# Altium PCB V4.0.PcbDoc
Units mil, origin at the board's own origin, x right, y up, seen from the top; angles counter-clockwise.
Board outline 3146.17 x 2127.7 mil, 2 copper layers (Top Layer, Bottom Layer); 54 components, 51 nets, 242 pads, 96 vias.
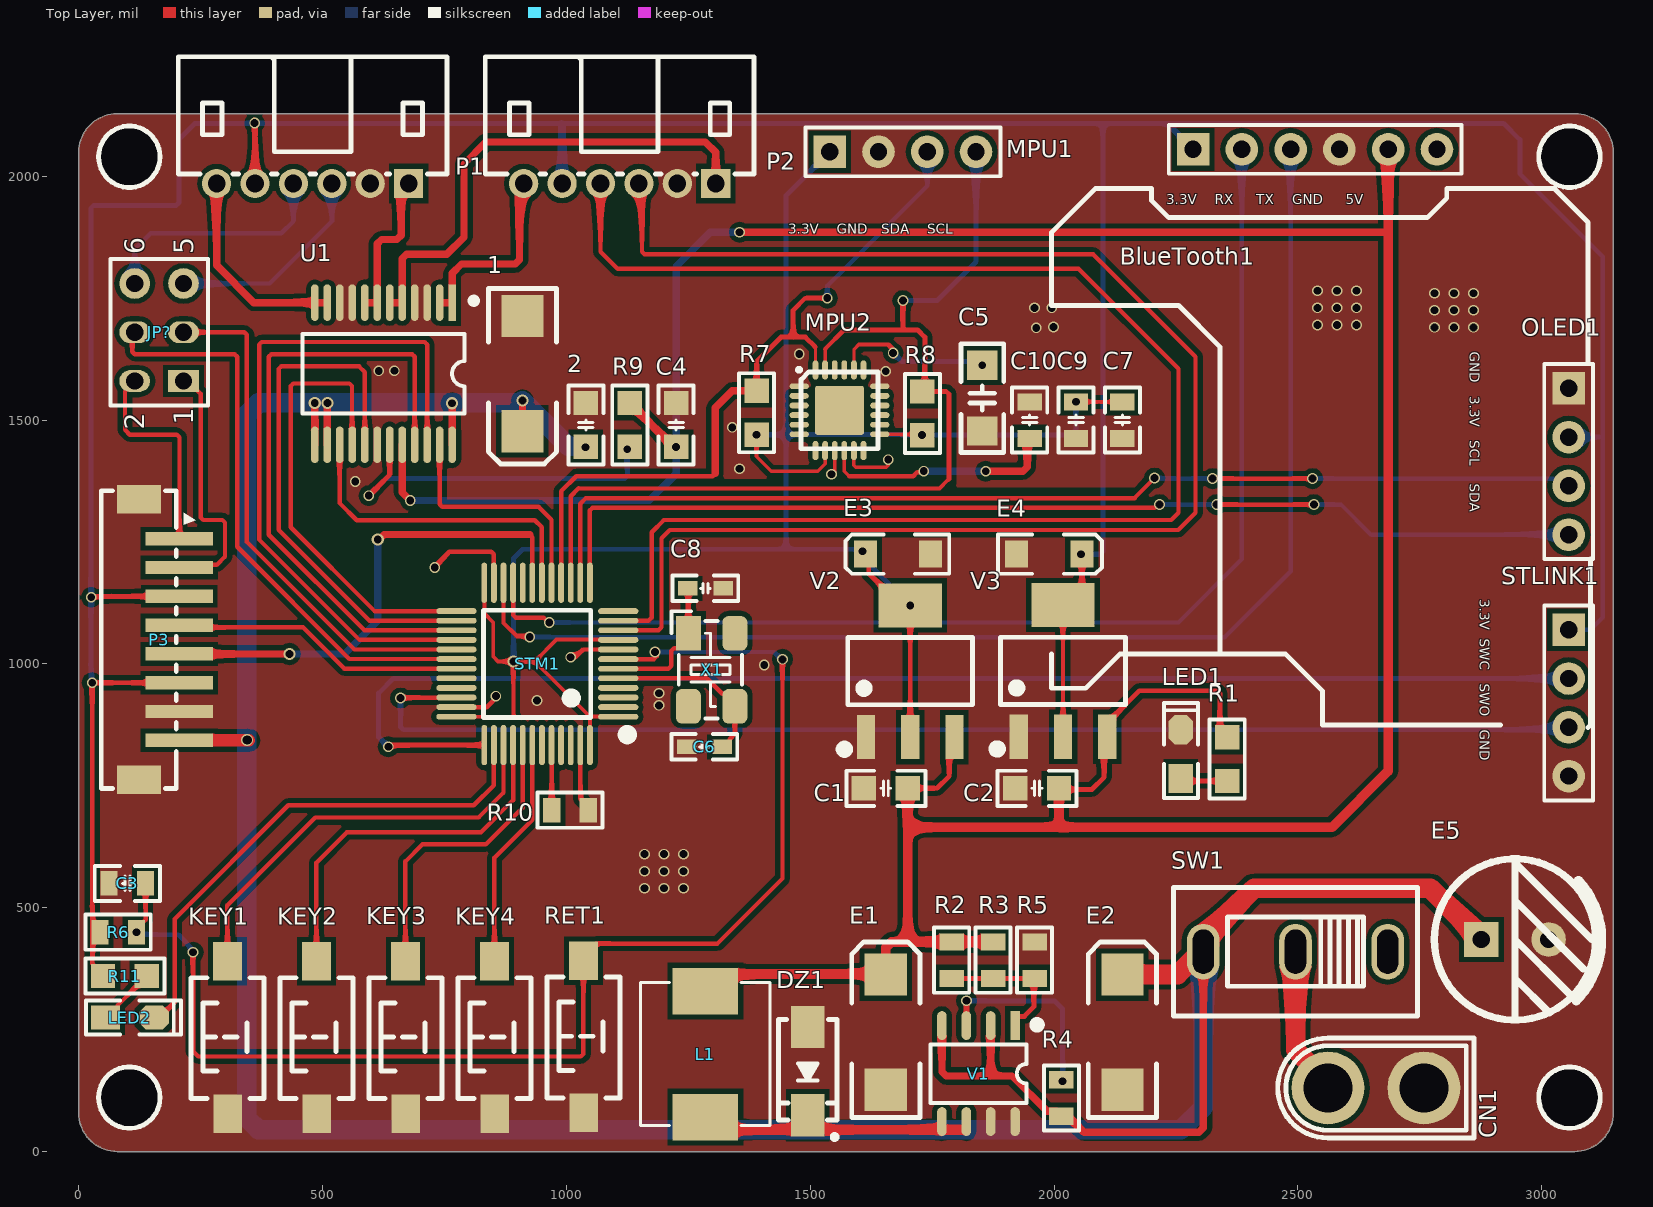
[diagram p0: Top Layer view]
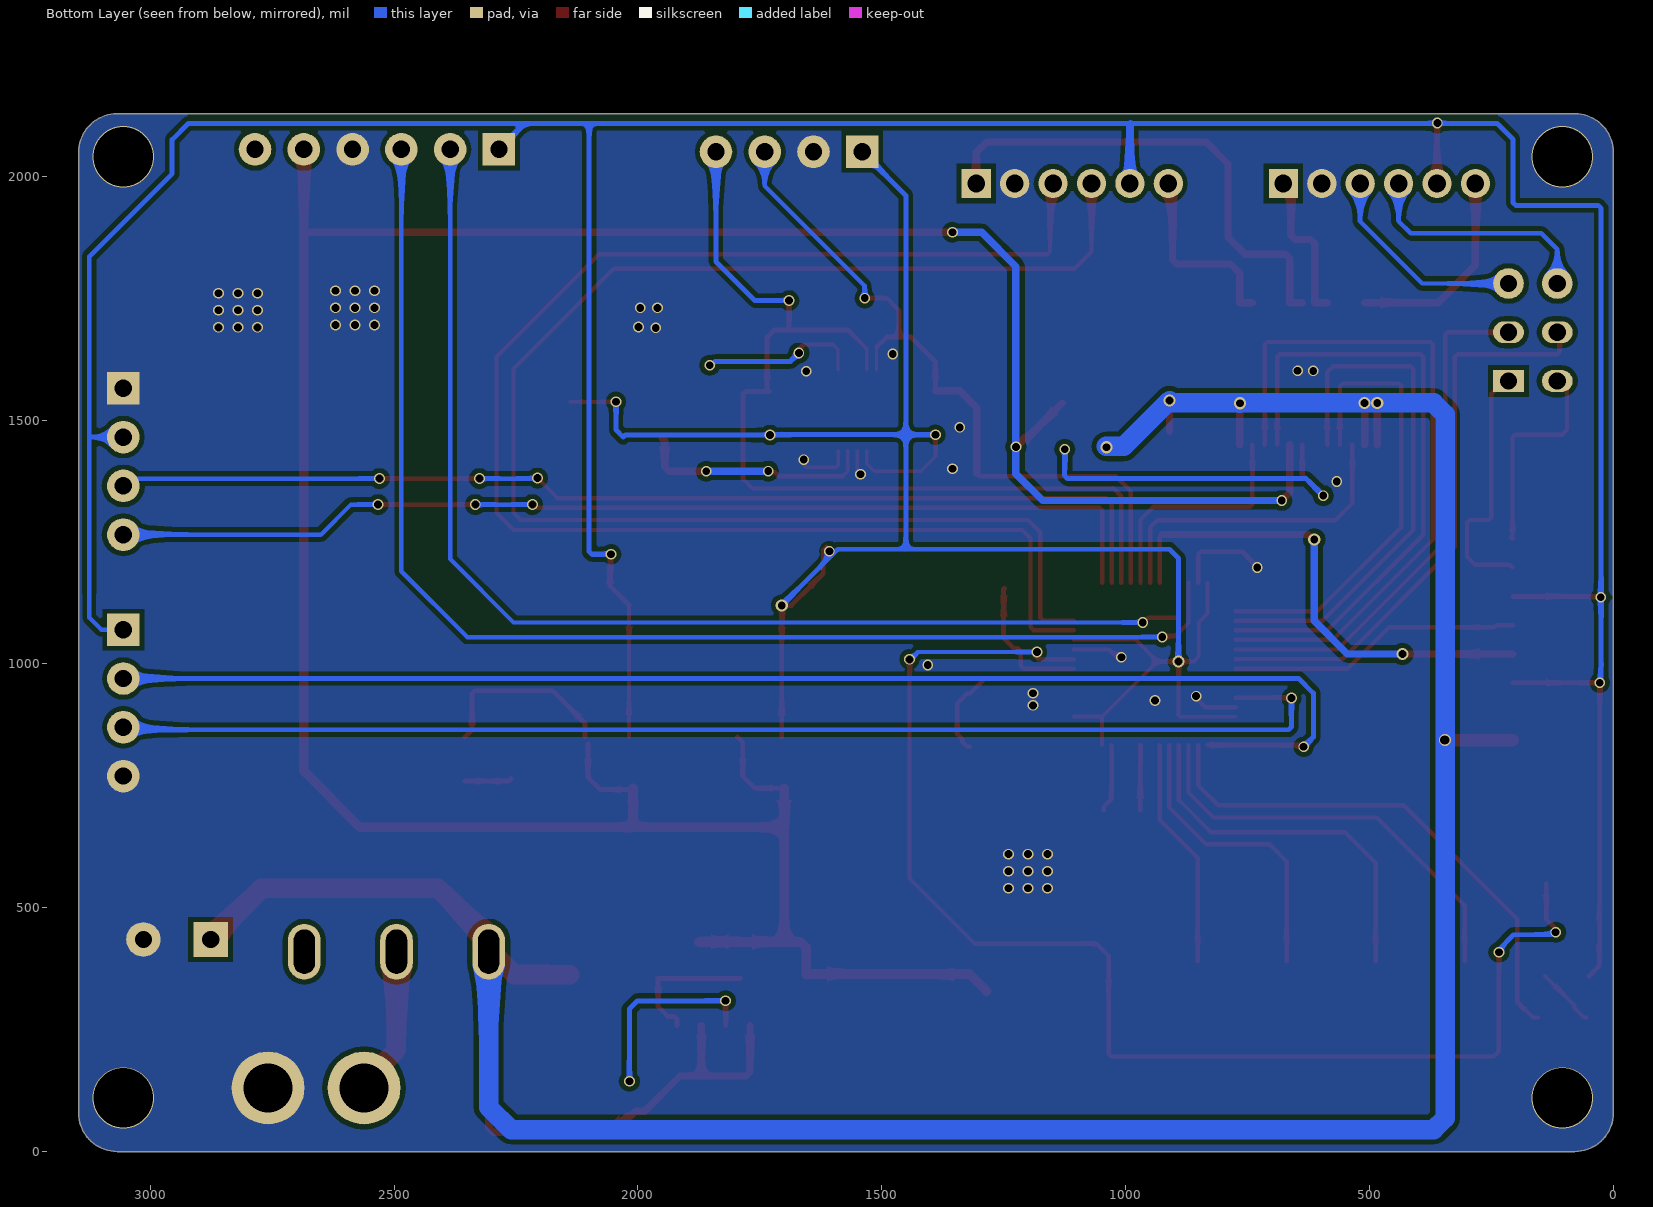
[diagram p1: Bottom Layer view, seen from below]

## Layer stack, top to bottom
Top Solder: solder mask 0.4, Solder Resist, Dk 3.5
Top Layer: signal copper 1.4
Dielectric 1: dielectric 12.6, FR-4, Dk 4.8
Bottom Layer: signal copper 1.4
Bottom Solder: solder mask 0.4, Solder Resist, Dk 3.5

## Board outline
78.99,0.25 cw(c78.99,78.99) 0.25,78.99 0.25,2049.21 cw(c78.99,2049.21) 78.99,2127.95 3067.68,2127.95 cw(c3067.68,2049.21) 3146.42,2049.21 3146.42,78.99 cw(c3067.68,78.99) 3067.68,0.25

## Design rules (kind name [scope] priority, off if disabled: settings)
Clearance STM [WithinRoom('STM32')] p1: gap=10 ignorepadtopadclearanceinfootprint=TRUE except(8: Arc-SMDPad Track-SMDPad SMDPad-SMDPad)
Clearance [All] p2: gap=10 ignorepadtopadclearanceinfootprint=TRUE except(0: Arc-Hole Track-Hole SMDPad-Hole THPad-Hole Via-Hole Fill-Hole Poly-Hole Region-Hole Text-Hole)
PlaneConnect [All] p1: planeconnectstyle=Direct reliefexpansion=20 reliefentries=4 reliefconductorwidth=10 reliefairgap=10
PolygonConnect [All] p1: connectstyle=Direct reliefconductorwidth=10 reliefentries=4 polygonreliefangle="90 Angle" airgapwidth=10
RoomDefinition STM32 [InComponent('STM1')] p1: confinementstyle=ConfineIn formatcopy=TRUE lockcomponents=TRUE outline 700,1235 1175,1235 1175,765 700,765
RoutingVias [All] p1: holewidth=28 width=50 viastyle="Through Hole" minholewidth=28 minwidth=50 maxholewidth=28 maxwidth=50
SolderMaskExpansion [All] p1: expansion=4 istentingtop=FALSE
Width [All] p1: maxlimit=999 minlimit=7 preferedwidth=10 minimp=50.000000 maximp=50.000000 favimp=50.000000
29 further rules are at their usual default settings.

## Components (designator, comment, footprint, x,y, rotation, side; value= is the part's Value field where it differs from the comment)
1 "22uf" "CD C(6032)" 910,1595 r90 top
2 "104" "C 0805_M" 1040,1490 r90 top
BlueTooth1 "HDR-1X6" HDR2.54-M-LI-6P 2535,2055 r0 top
C1 "10uF" "C 0805_M" 1655,745 r180 top
C2 "10uF" "C 0805_M" 1965,745 r180 top
C3 "104" "C 0805_L" 100,550 r180 top
C4 "104" "C 0805_M" 1225,1490 r270 top
C5 "2.2nF" "C 1206_M" 1852.75,1545 r270 top
C6 "20P" "C 0603_M" 1282.83,830 r180 top
C7 "104" "C 0805_L" 2140,1500 r270 top
C8 "20P" "C 0603_M" 1285,1155 r0 top
C9 "10nF" "C 0805_L" 2045,1500 r270 top
C10 "104" "C 0805_L" 1950,1500 r90 top
CN1 "XT30UPB-M" XT30_M 2660,130.47 r180 top
DZ1 "SS14" SMA 1495,165 r270 top
E1 "22uf" "CD C(6032)" 1655,245 r270 top
E2 "22uf" "CD C(6032)" 2140,245 r270 top
E3 "22uF" "CD A(3216)" 1680,1225 r0 top
E4 "22uF" "CD A(3216)" 1990,1225 r180 top
E5 "470uF/16V" "CS 3.5*8*11.5 - V" 2945,435 r180 top
JP? "Header3X2" HDR2.54-LI-2x3P 165,1680 r90 top
KEY1 "3x6x5" "TSW SMD-3*6*2.5" 305,235 r90 top
KEY2 "3x6x5" "TSW SMD-3*6*2.5" 487.5,235 r90 top
KEY3 "3x6x5" "TSW SMD-3*6*2.5" 670,235 r90 top
KEY4 "3x6x5" "TSW SMD-3*6*2.5" 852.5,235 r90 top
L1 "33uh" "CD 0630" 1285,200 r270 top
LED1 "RED" "LED 0805G" 2260,815 r90 top
LED2 "RED" "LED 0805G" 105,275 r0 top
MPU1 "HDR-1X4" HDR2.54-M-LI-4P 1690,2050 r0 top
MPU2 "MPU-6050" QFN24-4x4 1560,1520 r0 top
OLED1 "HDR-1X4" HDR2.54-M-LI-4P 3055,1415 r270 top
P1 "HDGC2001WR-6P" PH2.0-6P 479.69,1985 r180 top
P2 "HDGC2001WR-6P" PH2.0-6P 1109.37,1985 r180 top
P3 "1.5K-BH-8PB" ZH1.5-8P 165,1050 r270 top
R1 "4.7K" "R 0805_M" 2355,805 r270 top
R2 "10K" "R 0805_L" 1790,392.6 r270 top
R3 "10K" "R 0805_L" 1875,392.6 r270 top
R4 "15K" "R 0805_L" 2015,110 r90 top
R5 "1K" "R 0805_L" 1960,392.6 r270 top
R6 "10K" "R 0805_L" 80.93,450 r180 top
R7 "4.7K" "R 0805_M" 1390,1515 r270 top
R8 "4.7K" "R 0805_M" 1730,1513.5 r270 top
R9 "10K" "R 0805_M" 1130,1490 r90 top
R10 "10K" "R 0805_L" 1007.4,700 r0 top
R11 "4.7K" "R 0805_M" 95,360 r0 top
RET1 "3x6x5" "TSW SMD-3*6*2.5" 1035,236.63 r90 top
STLINK1 "HDR-1X4" HDR2.54-M-LI-4P 3055,920 r270 top
STM1 "STM32F103C8" "LQFP48 7X7_M" 940,1000 r90 top locked
SW1 "SS12D10G4 071" SS12D 2495,410 r180 top
U1 "TB6612FNG,C,8,EL" SSOP24_M 625,1595 r270 top
V1 "AS1015" SOP8_L 1845,160 r270 top
V2 "AMS1117-3V3" SOT223_M 1705,985 r0 top
V3 "AMS1117-3V3" SOT223_M 2018.31,985.72 r0 top
X1 "8M" "OSC 5032-4P" 1295.33,987.88 r270 top

## Footprints (in the part's own frame and the unit in brackets; to place one, negate y for a bottom-side part, rotate by r counter-clockwise, add the part's x,y. Pads: shape width x height; smd on the part's side, far side on the other; paste and mask are expansions set on the pad)
"C 0603_M" [mil] "无极性贴片电容"
  rect 40x30 smd: 1(-36.5,0) 2(36.5,0)
  silkscreen extent -68,-26 68,26, body extent -31,-16 31,16, height 32
"C 0805_L" [mil] "无极性贴片电容"
  rect 35x50 smd: 1(-37.4,0) 2(37.4,0)
  silkscreen extent -67,-36 67,36, body extent -39,-24 39,24, height 20
"C 0805_M" [mil] "无极性贴片电容"
  rect 50x50 smd: 1(-45,0) 2(45,0)
  silkscreen extent -81,-36 81,36, body extent -39,-24 39,24, height 20
"C 1206_M" [mil] "无极性贴片电容"
  rect 60x62.99 smd: 1(-67.5,0) 2(67.5,0)
  silkscreen extent -112,-44 112,44, body extent -63,-32 63,32, height 48
"CD 0630" [mm]
  rect 2.424x3.42 smd paste+0 mask+0.051: 1(3.278,0) 2(-3.278,0)
  silkscreen extent -3.73,-3.38 3.73,3.38, body extent -3.56,-3.4 3.54,3.2, height 2.85
"CD A(3216)" [mm] "长3.2mm，宽1.6mm，厚1.6mm"
  rect 1.2x1.4 smd: 1(-1.7,0) 2(1.7,0)
  silkscreen extent -2.74,-1.02 2.67,1.02, body extent -1.6,-0.8 1.6,0.8, height 1.6
"CD C(6032)" [mm] "长6.0mm，宽3.2mm，厚2.5mm"
  rect 2.2x2.2 smd: 1(-3,0) 2(3,0)
  silkscreen extent -4.7,-1.78 4.44,1.78, body extent -3,-1.6 3,1.6, height 2.5
"CS 3.5*8*11.5 - V" [mm] "脚距3.5mm , 直径8mm , 高11.5mm"
  rect 1.8x1.8 hole 0.9: 1(1.75,0)
  round 1.8 hole 0.9: 2(-1.75,0)
  silkscreen extent -4.5,-4.2 4.2,4.2, body extent -4,-4 4,4, height 11.52
HDR2.54-LI-2x3P [mm] "双排排针，3x2脚"
  rect 1.143x1.6 hole 0.9: 1(-2.54,-1.27)
  oval 1.143x1.6 hole 0.889: 2(-2.54,1.27)
  oval 1.143x1.6 hole 0.9: 3(0,-1.27) 4(0,1.27)
  round 1.6 hole 0.9: 5(2.54,-1.27) 6(2.54,1.27)
  silkscreen extent -3.81,-2.54 3.81,2.54, body extent -3.81,-2.54 3.81,2.54, height 8.5
HDR2.54-M-LI-4P [mm] "排母，4脚"
  rect 1.7x1.7 hole 0.9: 1(-3.81,0)
  round 1.7 hole 0.9: 2(-1.27,0) 3(1.27,0) 4(3.81,0)
  silkscreen extent -5.08,-1.27 5.08,1.27, body extent -5.08,-1.27 5.08,1.27, height 8.5
HDR2.54-M-LI-6P [mm] "排母，6脚"
  rect 1.7x1.7 hole 0.9: 1(-6.35,0)
  round 1.7 hole 0.9: 2(-3.81,0) 3(-1.27,0) 4(1.27,0) 5(3.81,0) 6(6.35,0)
  silkscreen extent -7.62,-1.27 7.62,1.27, body extent -7.62,-1.27 7.62,1.27, height 8.5
"LED 0805G" [mil] "绿色0805LED"
  rect 60x50 smd: 1(-50,0)
  oct 60x50 smd: 2(50,0)
  silkscreen extent -90,-35 105,35, body extent -39,-25 39,25, height 32
"LQFP48 7X7_M" [mm] "48脚，体宽7x7mm，脚距0.5mm"
  oval 0.3x2.1 smd: 1(-2.75,-4.227) 2(-2.25,-4.227) 3(-1.75,-4.227) 4(-1.25,-4.227) 5(-0.75,-4.227) 6(-0.25,-4.227) 7(0.25,-4.227) 8(0.75,-4.227) 9(1.25,-4.227) 10(1.75,-4.227) 11(2.25,-4.227) 12(2.75,-4.227) 25(2.75,4.202) 26(2.25,4.202) 27(1.75,4.202) 28(1.25,4.202) 29(0.75,4.202) 30(0.25,4.202) 31(-0.25,4.202) 32(-0.75,4.202) 33(-1.25,4.202) 34(-1.75,4.202) 35(-2.25,4.202) 36(-2.75,4.202)
  oval 2.1x0.3 smd: 13(4.227,-2.75) 14(4.227,-2.25) 15(4.227,-1.75) 16(4.227,-1.25) 17(4.227,-0.75) 18(4.227,-0.25) 19(4.227,0.25) 20(4.227,0.75) 21(4.227,1.25) 22(4.227,1.75) 23(4.227,2.25) 24(4.227,2.75) 37(-4.227,2.75) 38(-4.227,2.25) 39(-4.227,1.75) 40(-4.227,1.25) 41(-4.227,0.75) 42(-4.227,0.25) 43(-4.227,-0.25) 44(-4.227,-0.75) 45(-4.227,-1.25) 46(-4.227,-1.75) 47(-4.227,-2.25) 48(-4.227,-2.75)
  silkscreen extent -3.93,-4.95 2.79,2.79, body extent -4.5,-4.5 4.5,4.5, height 1.45
"OSC 5032-4P" [mm] "5mm*3.2mm*0.8mm(长*宽*高)"
  rect 1.8x1.3 smd: 1(-1.9,-1.15)
  rrect50% 1.8x1.3 smd: 2(1.9,-1.15) 3(1.9,1.272) 4(-1.9,1.272)
  silkscreen extent -3.05,-2.03 2.54,1.65, body extent -2.5,-1.6 2.5,1.6, height 0.86
PH2.0-6P [mil]
  rect 60x60 hole 36 paste+0 mask+1.97: 1(-196.85,0)
  round 60 hole 36 paste+0 mask+1.97: 2(-118.11,0) 3(-39.37,0) 4(39.37,0) 5(118.11,0) 6(196.85,0)
  silkscreen extent -276,-260 276,-20, body extent -276,-265 276,5, height 187
QFN24-4x4 [mm]
  rrect10% 2.55x2.55 smd: 0(0,0)
  oval 1x0.3 smd: 1(-2.1,1.25) 2(-2.1,0.75) 3(-2.1,0.25) 4(-2.1,-0.25) 5(-2.1,-0.75) 6(-2.1,-1.25) 13(2.1,-1.25) 14(2.1,-0.75) 15(2.1,-0.25) 16(2.1,0.25) 17(2.1,0.75) 18(2.1,1.25)
  oval 0.3x1 smd: 7(-1.25,-2.1) 8(-0.75,-2.1) 9(-0.25,-2.1) 10(0.25,-2.1) 11(0.75,-2.1) 12(1.25,-2.1) 19(1.25,2.1) 20(0.75,2.1) 21(0.25,2.1) 22(-0.25,2.1) 23(-0.75,2.1) 24(-1.25,2.1)
  silkscreen extent -2.21,-2 2,2.21, body extent -2,-2 2,2, height 0.9
"R 0805_L" [mil] "1/8W贴片电阻"
  rect 35x50 smd: 1(-37.4,0) 2(37.4,0)
  silkscreen extent -67,-36 67,36, body extent -39,-25 39,25, height 20
"R 0805_M" [mil] "1/8W贴片电阻"
  rect 50x50 smd: 1(-45,0) 2(45,0)
  silkscreen extent -81,-36 81,36, body extent -39,-25 39,25, height 20
SMA [mm] "4.5x2.6*2.2mm（长宽高，不包括引脚）"
  rect 2.2x1.75 smd: 1(-2.3,0) 2(2.3,0)
  silkscreen extent -2.7,-1.52 3.56,1.52, body extent -2.53,-1.3 2.58,1.3, height 2.15
SOP8_L [mm] "5*6*1.8mm（长宽高）"
  rect 1.5x0.5 smd: 1(-2.5,1.905)
  oval 1.5x0.5 smd: 2(-2.5,0.635) 3(-2.5,-0.635) 4(-2.5,-1.905) 5(2.5,-1.905) 6(2.5,-0.635) 7(2.5,0.635) 8(2.5,1.905)
  silkscreen extent -2.69,-2.5 1.52,3.2, body extent -3,-2.5 3,2.5, height 1.9
SOT223_M [mm] "6.4x7x1.6mm(长宽高)"
  rect 0.95x2.3 smd: 1(-2.3,-3.429) 2(0,-3.429) 3(2.3,-3.429)
  rect 3.3x2.3 smd: 2(0,3.429)
  silkscreen extent -3.63,-4.26 3.25,1.75, body extent -3.25,-3.51 3.25,3.51, height 1.65
SS12D [mm]
  oval 1.7x2.9 hole 1.1 slot 2.3 at 90 deg paste+0 mask+0.05: 1(-4.8,0) 2(0,0) 3(4.8,0)
  silkscreen extent -6.35,-3.35 6.35,3.35, body extent -6.35,-3.35 6.35,3.35, height 10.4
SSOP24_M [mm] "8.3*7.8*1.6（长宽高）"
  rect 1.9x0.4 smd: 1(-3.7,3.575)
  oval 1.9x0.4 smd: 2(-3.7,2.925) 3(-3.7,2.275) 4(-3.7,1.625) 5(-3.7,0.975) 6(-3.7,0.325) 7(-3.7,-0.325) 8(-3.7,-0.975) 9(-3.7,-1.625) 10(-3.7,-2.275) 11(-3.7,-2.925) 12(-3.7,-3.575) 13(3.7,-3.575) 14(3.7,-2.925) 15(3.7,-2.275) 16(3.7,-1.625) 17(3.7,-0.975) 18(3.7,-0.325) 19(3.7,0.325) 20(3.7,0.975) 21(3.7,1.625) 22(3.7,2.275) 23(3.7,2.925) 24(3.7,3.575)
  silkscreen extent -3.93,-4.23 2.06,4.83, body extent -3.85,-4.15 3.85,4.15, height 1.65
"TSW SMD-3*6*2.5" [mm] "3*6*2.5mm"
  rect 2x1.5 smd: 1(-3.996,-0.02) 2(3.937,0)
  silkscreen extent -3.21,-1.9 3.09,1.9, body extent -4,-1.88 4,1.62, height 2.59
XT30_M [mm]
  round 3.8 hole 2.54 paste+0 mask+0.05: 1(-2.5,0) 2(2.5,0)
  silkscreen extent -5.1,-2.6 5.11,2.6, body extent -4.97,-2.73 5.23,2.47, height 11.1
ZH1.5-8P [mm]
  rect 0.7x3.5 smd paste+0 mask+0.05: 1(-5.25,1.05) 2(-3.75,1.05) 3(-2.25,1.05) 4(-0.75,1.05) 5(0.75,1.05) 6(2.25,1.05) 7(3.75,1.05) 8(5.25,1.05)
  rect 1.5x2.3 smd paste+0 mask+0.05: 9(7.3,-1.05) 10(-7.3,-1.05)
  silkscreen extent -7.75,-3.02 7.75,1.91, body extent -7.75,-3.07 7.75,2.03, height 5.21

## Part data
1 E1 E2 E3 E4: library part C-CD, "贴片钽电容", BOM名称=贴片钽电容, 学习资源=www.ooocke.com, 版权归属=源创客
2 C3 C4 C5 C6 C7 C8 C9 C10: library part C, "无极性贴片电容", BOM名称=无极性贴片电容, 学习资源=www.ooocke.com, 版权归属=源创客
BlueTooth1: library part "Header 6", "6P接插件", BOM名称=6P接插件, 学习资源=www.ooocke.com, 版权归属=源创客
C1 C2: library part C-CC, "直插瓷片电容", BOM名称=直插瓷片电容, 学习资源=www.ooocke.com, 版权归属=源创客
CN1: BOM_Manufacturer="Changzhou Amass Elec", BOM_Manufacturer Part=XT30UPB-M, BOM_Supplier=LCSC, BOM_Supplier Part=C428721, Contributor=LCSC, spicePre=C, spiceSymbolName=XT30UPB-M
DZ1: library part 1N4733, "5.1V/1W稳压管", BOM名称=5.1V/1W稳压管, 学习资源=www.ooocke.com, 版权归属=源创客
E5: library part C-CS, "直插固态电容", BOM名称=直插固态电容, 学习资源=www.ooocke.com, 版权归属=源创客
JP?: library part "Header 3X2", "3*2P接插件", BOM名称=3*2P接插件, 学习资源=www.ooocke.com, 版权归属=源创客
KEY1 KEY2 KEY3 KEY4 RET1: library part "TSW 3x6", "3x6轻触开关", BOM名称=3x6轻触开关, 学习资源=www.ooocke.com, 版权归属=源创客
L1: library part L-CD, "贴片功率电感", BOM名称=功率电感, 学习资源=https://lmdzstyle.taobao.com/, 版权归属=黎明电子style
LED1 LED2: library part LED-SMD, "贴片LED", BOM名称=贴片LED, 学习资源=www.ooocke.com, 版权归属=源创客
MPU1 OLED1 STLINK1: library part "Header 4", "4P接插件", BOM名称=4P接插件, 学习资源=www.ooocke.com, 版权归属=源创客
P1 P2: library part PH2.0-6P, "接插件", JLCPCB Part Class="Extended Part", LCSC Part Name="PH2.0弯针 6P", Manufacturer=HDGC(华德共创), Add into BOM=yes, Convert to PCB=yes, Datasheet=https://atta.szlcsc.com/upload/public/pdf/source/20220916/36534CA64A2134C65DEF28B604EC5CCB.pdf, Device=HDGC2001WR-6P, Manufacturer Part=HDGC2001WR-6P, Name=HDGC2001WR-6P, Supplier=LCSC, Supplier Footprint=弯插,P=2mm, Supplier Part=C5175243, Symbol=HDGC2001WR-6P
P3: library part ZH1.5-8P, "立贴ZH 1.5MM 8P 接线端子", JLCPCB Part Class="Extended Part", LCSC Part Name="1x8P 间距P=1.5mm 立式 SMT", Manufacturer=HDGC(华德共创), Add into BOM=yes, Convert to PCB=yes, Datasheet=https://atta.szlcsc.com/upload/public/pdf/source/20211115/941864E8DB7AD29C63C657681A86366D.pdf, Device=1.5K-BH-8PB, Manufacturer Part=1.5K-BH-8PB, Name=1.5K-BH-8PB, Supplier=LCSC, Supplier Footprint=SMD,P=1.5mm, Supplier Part=C2919598, Symbol=1.5K-BH-8PB
R1 R2 R3 R4 R5 R6 R7 R8 R9 R10 R11: library part R, "贴片电阻", BOM名称=贴片电阻, 学习资源=www.ooocke.com, 版权归属=源创客
STM1: "Flaah:64/RAM:20/IO:36", BOM名称=32位STM单片机, 学习资源=www.ooocke.com, 版权归属=源创客
SW1: library part SS12D, "SS12D一路开关 12.7*6.7*6.4mm", JLCPCB Part Class="Extended Part", Manufacturer="SHOU HAN(首韩)", Add into BOM=yes, Convert to PCB=yes, Datasheet=https://atta.szlcsc.com/upload/public/pdf/source/20210820/80D1704BBF3FCEE0435FCAA54C61E0A3.pdf, Device="SS12D10G4 071", LCSC Part Name="SS12D10G4 071", Manufacturer Part="SS12D10G4 071", Name="SS12D10G4 071", Supplier=LCSC, Supplier Footprint=插件, Supplier Part=C2887259, Symbol="SS12D10G4 071"
U1: BOM_JLCPCB SMD=Yes, BOM_Manufacturer=TOSHIBA, BOM_Manufacturer Part=TB6612FNG,C,8,EL, BOM_Supplier=LCSC, BOM_Supplier Part=C141517, Contributor=LCSC, SMT Type=Extend, spicePre=U, spiceSymbolName=TB6612FNG,C,8,EL
V1: "可调升压芯片", BOM名称=可调升压芯片, 学习资源=www.ooocke.com, 版权归属=源创客
V2 V3: library part AMS1117, "三端稳压芯片", BOM名称=稳压芯片, 学习资源=www.ooocke.com, 版权归属=源创客
X1: library part XTAL-4P, "4脚无源晶振", BOM名称=4脚无源晶振, 学习资源=www.ooocke.com, 版权归属=源创客

## Via types
v1: diameter 22, hole 16, Top Layer to Bottom Layer, 82 vias
v2: diameter 25, hole 16, Top Layer to Bottom Layer, 9 vias
v3: diameter 125.98, hole 122.05, Top Layer to Bottom Layer, 4 vias
v4: diameter 25, hole 19, Top Layer to Bottom Layer, 1 vias

## Nets (pads, with @x,y where several pads share a name; then routed paths per layer and width w, separated by ;. In a path a pad name is that pad's centre, name@x,y a point inside that pad or via, vN(x,y) a via of type N, cw(c..) or ccw(c..) an arc to the next point about the centre after c; other vN are vias at no path point)
3.3V-A: C7.1 C9.1 E3.1 MPU1.1 MPU2.8 MPU2.13 R7.2 R8.2 STM1.1 STM1.9 STM1.24 STM1.36 STM1.48 V2.2 | length 4453.4
  Top Layer w7: v1(1390,1470) 1390,1425 1420,1395 1515,1395 1530.47,1410.47 MPU2.8 ; MPU2.13 R8.2@1727.71,1470.79 ; v1(2045,1537.4) C7.1
  Top Layer w8: STM1.36 888.6,891.73 892.7,895.83 891.5,897.04 v2(891.5,1004.93) ; STM1.24 831.73,1103.27 850,1085 850,1015 860.07,1004.93 v2(891.5,1004.93) ; STM1.48 1048.27,891.73 ; STM1.1 1106.22,891.93 1048.27,891.93 1048.27,891.73 ; STM1.9 1105.69,1049.94 1067.56,1049.94 1067.5,1050 980.15,1050 935.07,1004.93 ; v2(891.5,1004.93) 935.07,1004.93 ; 935.07,1004.93 1048.27,891.73
  Top Layer w10: E3.1@1613.07,1240 1619.87,1233.2 1619.87,1185.44 1645.04,1160.28 1685.31,1120 v2(1705,1120) V2.2@1705,850
  Bottom Layer w10: v2(891.5,1004.93) 891.5,1216.5 910,1235 1450.48,1235 ; v1(1390,1470) 1450.48,1470 ; MPU1.1 1450.48,1960.48 1450.48,1470 ; v2(1705,1120) 1590,1235 1450.48,1235 ; v1(2045,1537.4) 2045,1480 2030,1465 2025.61,1469.39 v1(1729.13,1469.39) 1729.13,1467.37 1726.75,1465 1721.75,1470 1450.48,1470 ; 1450.48,1235 1450.48,1470
  other v1: 1607.43,1230.9
3.3V-B: BlueTooth1.1 E4.1 OLED1.2 P1.5 P2.5 P3.3 P3.6 R6.2 R11.1 STLINK1.1 V3.2 | length 7885.6
  Top Layer w9: V3.2@2018.31,850.72 V3.2@2018.31,1120.72
  Top Layer w10: v1@25,960 26.41,961.41 P3.6 ; v1@25,1140 26.41,1138.59 P3.3 ; v1(27.93,961.37) 27.93,385.86 30,383.78 30,380 R11.1 ; v1@359.69,2115 361.58,2113.11 P1.5 ; V3.2@2018.31,1120.72 2056.93,1159.35 E4.1
  Bottom Layer w9: STLINK1.1 3100,1070 3125,1095 3125,1145 ; OLED1.2 3125,1465
  Bottom Layer w10: v1@25,960 25,1934.14 30.86,1940 199.92,1940 205.77,1945.86 205.77,2075.77 237.97,2107.97 990,2107.97 2100,2107.97 ; v1(2055,1225) 2095,1225 2100,1230 2100,2107.97 ; BlueTooth1.1 2232.03,2107.97 ; 3125,1145 3125,1465 3125,1835 2955,2005 2955,2075 2922.03,2107.97 2232.03,2107.97 ; 2100,2107.97 2232.03,2107.97
  Bottom Layer w15: 990,2107.97 991.26,2106.71 P2.5
  other v1: 25.81,1136.5 360.82,2108.87
5V: BlueTooth1.5 C1.1 C2.1 C4.2 E1.1 L1.2 R1.1 R2.1 R3.1 R9.2 U1.20 V2.3 V3.3 | length 6825.4
  Top Layer w10: C1.1 1760,745 1785,770 1785,839.45 V2.3 ; C2.1@2017.5,742.5 2077.5,742.5 2102.5,767.5 V3.3@2102.5,836.95 ; V3.3 2108.86,878.86 2115,885 2116.56,885 2122.56,891 2122.56,892.56 2175,945 2334.14,945 2340,939.14 2340,865 R1.1
  Top Layer w15: U1.20 663.39,1351.61 v1(680,1335) ; R9.2 1202.5,1462.5 1207.5,1462.5 v1(1225,1445) ; v1(1355,1885) 2685,1885
  Top Layer w20: L1.2 1320.2,364.26 1653.85,364.26 E1.1 1655,418.28 1666.72,430 1700,430 ; C1.1 1700,665 ; R3.1 1874.68,430.32 1790.32,430.32 R2.1 1700,430 ; C2.1 2010,685 2010,665 ; BlueTooth1.5@2685,2042.3 2685,1885 2685,780 2570,665 2010,665 ; 1700,430 1700,665 ; 1700,665 2010,665
  Bottom Layer w10: BlueTooth1.5 BlueTooth1.5@2690,2055
  Bottom Layer w15: v1(680,1335) 1170,1335 1225,1390 v1(1225,1445) 1225,1815 1295,1885 v1(1355,1885)
+12: CN1.2 SW1.2 | length 307.1
  Top Layer w40: SW1.2 2495,208.71 2561.57,142.14 CN1.2
B-RX: BlueTooth1.2 STM1.21 | length 2460.5
  Top Layer w9: STM1.21 890.79,1100.27 896.06,1095 953.23,1095 963.23,1085 v1(965,1085)
  Bottom Layer w9: v1(965,1085) 2255,1085 2385,1215 BlueTooth1.2
B-TX: BlueTooth1.3 STM1.22 | length 2629.3
  Top Layer w9: STM1.22 871.1,1083.9 897.51,1057.49 922.51,1057.49 v1(925,1055)
  Bottom Layer w9: v1(925,1055) 1175,1055 2350,1055 2485,1190 BlueTooth1.3
DIRB: P3.4 STM1.31 | length 605.3
  Top Layer w9: P3.4 240.47,1079.53 245,1075 460,1075 544.84,990.16 700,990.16 STM1.31
Encoder1-A: P2.3 STM1.10 | length 3076.9
  Top Layer w9: STM1.10 1188.9,1068.9 1195,1075 1195,1257.61 1211.95,1274.55 2254.55,1274.55 2290,1310 2290,1630 2080,1840 1160.27,1840 1155,1845.27 1155,1978.74 P2.3
Encoder1-B: P2.4 STM1.11 | length 3062.2
  Top Layer w9: P2.4 1070,1845 1105,1810 2050,1810 2255,1605 2255,1310 2240,1295 1200,1295 1175,1270 1175,1095 1168.58,1088.58 STM1.11
Encoder2-A: JP?.3 STM1.29 | length 1077.8
  Top Layer w9: JP?.3 339.73,1680 345,1674.73 345,1250 565.47,1029.53 STM1.29
Encoder2-A1: JP?.1 P3.2 | length 526.5
  Top Layer w9: P3.2 212.17,1203.47 283.47,1203.47 300,1220 300,1289.73 294.73,1295 255.27,1295 250,1300.27 250,1554 224,1580 JP?.1
Encoder2-A2: JP?.5 P1.3 | length 434.6
  Bottom Layer w9: JP?.5 391.97,1780 519.06,1907.09 P1.3
Encoder2-B: JP?.4 STM1.30 | length 1195.8
  Top Layer w9: JP?.4 110,1675 110,1640.27 115.27,1635 319.73,1635 325,1629.73 325,1240 555,1010 770,1010 770.16,1009.84 STM1.30
Encoder2-B1: JP?.2 P3.1 | length 442.5
  Top Layer w9: JP?.2 115,1579.25 95,1559.25 95,1480 105,1470 201.42,1470 206.69,1464.73 206.69,1257.05 P3.1 ; P3.1@206.69,1256.69 210,1260 P3.1@206.69,1260
Encoder2-B2: JP?.6 P1.4 | length 496.5
  Bottom Layer w9: JP?.6 115,1850 147.85,1882.85 415.52,1882.85 440.32,1907.65 P1.4
GND: 1.2 2.2 BlueTooth1.4 C1.2 C2.2 C3.2 C4.1 C5.2 C6.2 C7.2 C8.2 C9.2 C10.2 CN1.1 DZ1.1 E1.2 E2.2 E3.2 E4.2 E5.2 KEY1.1 KEY2.1 KEY3.1 KEY4.1 LED1.2 MPU1.2 MPU2.1 MPU2.9 MPU2.11 MPU2.18 OLED1.1 P1.2 P2.2 P3.7 P3.9 P3.10 R5.1 R10.2 RET1.1 STLINK1.4 STM1.8 STM1.23 STM1.35 STM1.47 U1.3 U1.4 U1.9 U1.10 U1.18 V1.7 V1.8 V2.1 V3.1 | length 705.6
  Top Layer w7: v1@1545,1385 1550.16,1390.16 MPU2.9 ; MPU2.11 1589.53,1407.73 1593.63,1403.63 1655.9,1403.63 1660,1407.73 v1(1660,1418.86)
  Top Layer w9: v1@730,1195 v1(730,1197.5) 730,1200 760,1230 846.15,1230 851.42,1224.73 STM1.23 ; STM1.35 774.75,911.25 836.73,911.25 849.09,923.62 849.09,924.04 855.45,930.39 v1(855.45,933.91) ; v1(1008.71,1013.56) 1018.56,1013.56 1034.53,1029.53 STM1.8 ; STM1.47 1028.58,723.72 1044.8,707.5 R10.2
  other v1: 1160,540 1200,540 1240,540 1160,575 1200,575 1240,575 1160,610 1200,610 1240,610 1190,915 940,925 1190,940 1405.87,997.95 566.93,1373.88 1543.77,1388.98 1355,1400 1340,1485 1655,1600 615.41,1600.86 647.32,1601.16 1477.3,1635.25 1963.39,1689.02 2780,1690 2820,1690 2860,1690 1998.93,1690.55 2540,1695 2580,1695 2620,1695 2780,1725 2820,1725 2860,1725 1960,1730 1995,1730 2540,1730 2580,1730 2620,1730 2780,1760 2820,1760 2860,1760 2540,1765 2580,1765 2620,1765
  other v3: 105,110 3055,110 105,2040 3055,2040
IN1: STM1.28 U1.22 | length 1443.9
  Top Layer w9: U1.22 714.57,1654.73 709.3,1660 375.27,1660 370,1654.73 370,1255 575.79,1049.21 STM1.28
IN2: STM1.27 U1.21 | length 1314.3
  Top Layer w9: U1.21 688.98,1629.73 683.7,1635 395.27,1635 390,1629.73 390,1265 586.1,1068.9 STM1.27
IN3: STM1.26 U1.17 | length 1104.2
  Top Layer w9: U1.17 586.61,1598.39 575,1610 415.27,1610 410,1604.73 410,1275 596.42,1088.58 STM1.26
IN4: STM1.25 U1.16 | length 953.4
  Top Layer w9: 435,1449.7 435,1569.73 440.27,1575 555.14,1575 560.42,1569.73 560.42,1449.94 U1.16 ; 435,1452.27 435,1280 606.73,1108.27 STM1.25
KEY0: KEY1.2 STM1.39 | length 874.3
  Top Layer w9: KEY1.2 305,505 485,685 820,685 871.1,736.1 STM1.39
KEY1: KEY2.2 STM1.40 | length 771.7
  Top Layer w9: KEY2.2 487.5,592.5 550,655 825,655 890.79,720.79 890.79,765 STM1.40
KEY2: KEY3.2 STM1.41 | length 619.3
  Top Layer w9: KEY3.2 670,595 705,630 835,630 910.47,705.47 910.47,765 STM1.41
KEY3: KEY4.2 STM1.42 | length 475.7
  Top Layer w9: KEY4.2 852.5,602.5 930.16,680.16 930.16,765 STM1.42
LED: LED2.2 STM1.38 | length 1075.5
  Top Layer w9: LED2.2 165,275 196.89,306.89 196.89,476.89 430,710 810,710 851.42,751.42 851.42,765 STM1.38
MDS: 1.1 2.1 E2.1 E5.1 P3.8 R4.1 SW1.3 U1.13 U1.14 U1.24 V1.2 V1.4 | length 6976.4
  Top Layer w15: U1.13 v2@484.25,1534.25 ; U1.14 509.84,1449.84 510,1450 509.99,1479.53 v2(510,1535) ; U1.24 v2(765.75,1534.25) ; 1.1 v2(910,1540) ; V1.4 1770,163.79 1778.79,155 1870,155 ; V1.2 1870,155 ; SW1.3 2306.03,407.44 2306.03,48.79 2297.24,40 2061.29,40 2038.69,62.6 2032.5,62.6 2022.5,72.6 R4.1 2005,82.6 1986.16,82.6 1913.75,155 1870,155
  Top Layer w25: P3.8 v4@349.47,843.31
  Top Layer w40: E2.1 2253.11,363.11 2285,395 2293.59,395 SW1.3@2306.03,407.44 ; SW1.3 2306.03,436.03 2410,540 2771.1,540 E5.1
  Bottom Layer w40: v2(765.75,1534.25) 766.5,1535 905,1535 v2(910,1540) 1003.98,1446.02 v2@1039.34,1446.02 ; v2@765.75,1535 v2(510,1535) v2(484.25,1535) 368.43,1535 345,1511.57 345,843.87 345,68.43 368.43,45 2260,45 2306.03,91.03 SW1.3
  other v2: 1039.34,1444.16
  other v4: 345.42,843.87
Motor1+: P2.1 U1.5 U1.6 | length 1018.3
  Top Layer w15: U1.6 U1.5 663.39,1831.21 672.17,1840 755,1840 790,1875 790,2025 835,2070 1285,2070 1306.22,2048.78 P2.1
Motor1-: P2.6 U1.1 U1.2 | length 395.2
  Top Layer w15: U1.2 U1.1 765.75,1800.75 785,1820 895.12,1820 903.91,1828.79 903.91,1976.39 P2.6
Motor2+: P1.1 U1.7 U1.8 | length 315.1
  Top Layer w15: U1.8 611.86,1740.67 U1.7@612.2,1741.01 ; U1.7 U1.7@612.2,1741.01 ; P1.1 661.22,1969.68 661.22,1878.79 652.43,1870 620.99,1870 612.2,1861.21 U1.7@612.2,1741.01
Motor2-: P1.6 U1.11 U1.12 | length 426.5
  Top Layer w15: P1.6 282.84,1817.16 359.33,1740.67 U1.12 U1.11
NetC5_1: C5.1 MPU2.20 | length 338.9
  Top Layer w7: MPU2.20 1589.53,1604.53 1589.81,1604.81 1589.81,1644.81 1600,1655
  Top Layer w9: 1600,1655 1660,1655 1670,1645 v1(1670,1637.5) v1@1670,1630
  Bottom Layer w10: v1(1670,1637.5) 1687.5,1620 1841.73,1620 1849.23,1612.5 v1(1852.75,1612.5)
NetC10_1: C10.1 MPU2.10 | length 490.4
  Top Layer w7: MPU2.10 1569.84,1395.16 1580,1385
  Top Layer w9: 1580,1385 1711.34,1385 1719.12,1392.77 1730.46,1392.77 v1(1732.95,1395.26)
  Top Layer w15: v1(1860,1395) 1936.21,1395 1945,1403.79 1945,1457.59 C10.1
  Bottom Layer w15: v1(1732.95,1395.26) 1859.74,1395.26 v1(1860,1395)
NetDZ1_2: DZ1.2 L1.1 V1.5 V1.6 | length 461.4
  Top Layer w20: L1.1@1310.94,45 DZ1.2@1474.41,45 ; DZ1.2@1515.59,45 V1.5@1767.84,45 ; V1.5@1772.16,45 V1.6@1817.84,45
NetLED1_1: LED1.1 R1.2 | length 97.1
  Top Layer w10: LED1.1 2265,760 R1.2
NetLED2_1: LED2.1 R11.2 | length 123.1
  Top Layer w9: LED2.1 60,275 80.5,295.5 80.5,300.5 119.5,339.5 R11.2
NetR2_2: R2.2 R3.2 R5.2 V1.1 | length 291.6
  Top Layer w10: R2.2 R3.2 R5.2 1958.55,353.75 1958.55,296.98 1938.98,277.41 1924.84,277.41 1920,272.57 V1.1
NetR4_2: R4.2 V1.3 | length 403.2
  Top Layer w10: V1.3 1820,308.85 v1(1820.37,309.22)
  Bottom Layer w10: v1(1820.37,309.22) 2000.78,309.22 2017.46,292.54 v1(2017.46,144.32)
NetR9_1: R9.1 U1.19 | length 723.1
  Top Layer w10: v1(595,1345) 637.8,1387.8 U1.19
  Bottom Layer w10: v1(595,1345) 630,1380 1119.14,1380 1125,1385.86 v1(1125,1440)
NetR10_1: R10.1 STM1.44 | length 133.8
  Top Layer w10: STM1.44 969.87,833.24 969.87,796.52 970,796.4 R10.1
NRST: C3.1 R6.1 RET1.2 STM1.7 | length 2753.9
  Top Layer w9: R6.1@123.34,445 v1(118.33,450) 118.33,457.5 131.33,470.5 132.13,470.5 137.4,475.78 C3.1 ; v1(234.59,408.78) 234.59,205.68 245.27,195 1029.73,195 1035,200.27 1035,401.47 1060.03,426.5 1309.7,426.5 1443.25,560.05 v1(1443.25,1009.3) ; STM1.7 1179.73,1009.84 1185,1015.11 v1@1185,1030
  Bottom Layer w9: v1(118.33,450) 121.85,450 126.86,445 205,445 234.59,415.41 v1(234.59,408.78) ; v1(1181.92,1024.32) 1425.68,1024.32 v1@1445,1005
OSC_IN: C6.1 STM1.5 X1.3 | length 362.9
  Top Layer w9: STM1.5 1288.02,970.47 1319.79,938.7 1325.41,938.7 1345.41,918.7 X1.3 1345.41,856.08 1334.83,845.5 1334.83,840.5 1324.33,830 C6.1
OSC_OUT: C8.1 STM1.6 X1.1 | length 290.4
  Top Layer w9: STM1.6 1106.57,990 1209.14,990 1215,995.86 1215,1026.39 1220.86,1032.25 1229.46,1032.25 1250.06,1052.84 X1.1
  Top Layer w10: C8.1 1250.06,1153.44 X1.1
PWMA: STM1.17 U1.23 | length 493.8
  Top Layer w9: U1.23 740.16,1327.11 745.43,1321.84 943.16,1321.84 969.53,1295.47 STM1.17
PWMB: STM1.18 U1.15 | length 668.7
  Top Layer w9: U1.15 535.43,1445.43 535,1445 535,1330 570.35,1294.65 935.35,1294.65 949.84,1280.16 STM1.18
PWMC: P3.5 STM1.19 | length 1018.6
  Top Layer w9: v2(613.17,1255) v2@616.16,1255 ; 924.73,1265.28 930,1260.01 930,1180 930.16,1179.84 STM1.19
  Top Layer w15: P3.5 v2(432.36,1020.48) ; v2@616.16,1255 626.44,1265.28 924.73,1265.28
  Bottom Layer w15: v2(432.36,1020.48) 545.48,1020.48 613.17,1088.17 v2(613.17,1255)
SCL_A: MPU1.4 MPU2.23 R8.1 STM1.15 | length 2051.4
  Top Layer w7: MPU2.23 1530.47,1645.47 ; R8.1 R8.1@1735,1563.5
  Top Layer w8: 1025,1360 1765,1360 1782.54,1377.54
  Top Layer w9: STM1.15 1008.89,1343.89 1025,1360 ; 1530.47,1645.47 1570,1685 ; 1778.91,1558.5 1784.18,1553.23 ; 1782.54,1377.54 1784.18,1379.18
  Top Layer w10: 1570,1685 1690,1685 1694.87,1685 ; v1(1690,1745) 1690,1689.87 1694.87,1685 ; R8.1 1735,1558.5 1778.91,1558.5 ; R8.1@1735,1563.5 1735,1670 1720,1685 1694.87,1685 ; 1784.18,1379.18 1784.18,1553.23
  Bottom Layer w10: v1(1690,1745) 1760,1745 1840,1825 MPU1.4
SCL_B: OLED1.3 STM1.14 | length 2216.9
  Top Layer w9: STM1.14 1028.58,1328.58 1040,1340 2165,1340 v1(2206,1381) ; v1(2325,1380) v1(2530,1380)
  Bottom Layer w9: v1(2206,1381) 2207,1380 v1(2325,1380) ; v1(2530,1380) 3024.32,1380 3039.32,1365 OLED1.3
SDA_A: MPU1.3 MPU2.24 R7.1 STM1.16 | length 1530.2
  Top Layer w7: MPU2.24 1510.79,1650
  Top Layer w9: STM1.16 989.15,1166.48 989.15,1354.15 1020,1385 1299.73,1385 1305,1390.27 ; 1465,1725 1490,1750 v1(1535,1750) ; 1510,1650 1510.79,1650
  Top Layer w10: R7.1 1390,1620 1440,1670 1465,1670 ; 1465,1725 1465,1670 ; 1510,1650 1490,1670 1465,1670
  Top Layer w15: 1305,1390.27 1305,1525 1340,1560 R7.1
  Bottom Layer w9: v1(1535,1750) 1535,1775 1740,1980 MPU1.3
SDA_B: OLED1.4 STM1.13 | length 2188
  Top Layer w9: STM1.13 1048.27,1314.73 1053.54,1320 2206.1,1320 2212.82,1326.72 v1(2216.34,1326.72) ; v1(2333.28,1326.72) v1(2532.78,1326.72)
  Bottom Layer w9: v1(2216.34,1326.72) v1(2333.28,1326.72) v1@2335,1325 ; v1(2532.78,1326.72) 2588.28,1326.72 2650,1265 OLED1.4
SWCLK: STLINK1.2 STM1.37 | length 2763
  Top Layer w10: v1@635,835 636.42,833.58 STM1.37
  Bottom Layer w10: v1(635,830) 615,850 615,940 645,970 STLINK1.2@3050,970
SWO: STLINK1.3 STM1.34 | length 2568.7
  Top Layer w9: v1(660,930) 660.76,930.76 700,930.76 774.24,930.76 STM1.34
  Bottom Layer w10: v1(660,930) 660,870.86 665.86,865 700,865 1175,865 3045,865 STLINK1.3@3050,870
pads on no net: BlueTooth1.6 MPU2.0 MPU2.2 MPU2.3 MPU2.4 MPU2.5 MPU2.6 MPU2.7 MPU2.12 MPU2.14 MPU2.15 MPU2.16 MPU2.17 MPU2.19 MPU2.21 MPU2.22 STM1.2 STM1.3 STM1.4 STM1.12 STM1.20 STM1.32 STM1.33 STM1.43 STM1.45 STM1.46 SW1.1 X1.2 X1.4

## Polygon pours and split planes (outlines as drawn)
GND on Bottom Layer "Top Layer-No Net1" (solid, remove dead copper, pour order 1): 78.99,0.25 cw(c78.99,78.99) 0.25,78.99 0.25,2049.21 cw(c78.99,2049.21) 78.99,2127.95 3067.68,2127.95 cw(c3067.68,2049.21) 3146.42,2049.21 3146.42,78.99 cw(c3067.68,78.99) 3067.68,0.25
GND on Top Layer "Top Layer-No Net" (solid, remove dead copper, pour order 0): 78.99,0.25 cw(c78.99,78.99) 0.25,78.99 0.25,2049.21 cw(c78.99,2049.21) 78.99,2127.95 3067.68,2127.95 cw(c3067.68,2049.21) 3146.42,2049.21 3146.42,78.99 cw(c3067.68,78.99) 3067.68,0.25

## Silkscreen, mask and mechanical layers (free items; w line width, h text height)
Top Overlay:
  circle w10: c103.95,110.72 r62.99
  circle w10: c3056.71,110.72 r62.99
  circle w10: c3056.71,2039.86 r62.99
  circle w10: c103.95,2039.86 r62.99
  lines w10: 1995,1020 1995,950 2065,950 2135,1020 2205,1020 2475,1020 2550,945 2550,875 2915,875 ; 2340,1020 2340,1190 2340,1540 2340,1650 2255,1735 1995,1735 1995,1750 1995,1885 2085,1975 2200,1975 2200,1950 2235,1915 2765,1915 2805,1955 2805,1975 3025,1975 3095,1905 3095,1620 ; 3095,870 3100,875 3100,1215
  text "3.3V    RX     TX    GND     5V" at 2230,1935 h35
  text "3.3V    GND   SDA    SCL" at 1455,1874.8 h35
  text "GND   3.3V   SCL    SDA" at 2844.8,1640 h35 r270
  text "3.3V  SWC   SWO   GND" at 2865.2,1133.01 h35 r270
Mechanical 1:
  lines w10: 0.25,78.99 ccw(c78.99,78.99) 78.99,0.25 3067.68,0.25 ccw(c3067.68,78.99) 3146.42,78.99 3146.42,2049.21 ccw(c3067.68,2049.21) 3067.68,2127.95 78.99,2127.95 ccw(c78.99,2049.21) 0.25,2049.21 0.25,78.99

## Text inside footprints (layer, text, board x,y; h text height)
JP?: Top Overlay "6" at 135,1840 h40 r90; Top Overlay "5" at 235,1840 h40 r90; Top Overlay "2" at 135,1480 h40 r90; Top Overlay "1" at 235,1490 h40 r90